# Altium PCB OCP-TimeCardMini-TI_V1.PcbDoc (part 8 of 11)
Units mil, origin at the board's own origin, x right, y up, seen from the top; angles counter-clockwise.
Board outline 5300.46 x 4396.02 mil, 10 copper layers (L01-TOP, L02-GND, L03-SIG, L04-GND, L05-PWR, L06-PWR, L07-GND, L08-SIG, L09-GND, L10-BOT), stack 77.164 mil thick; 832 components, 574 nets, 2904 pads, 1473 vias.
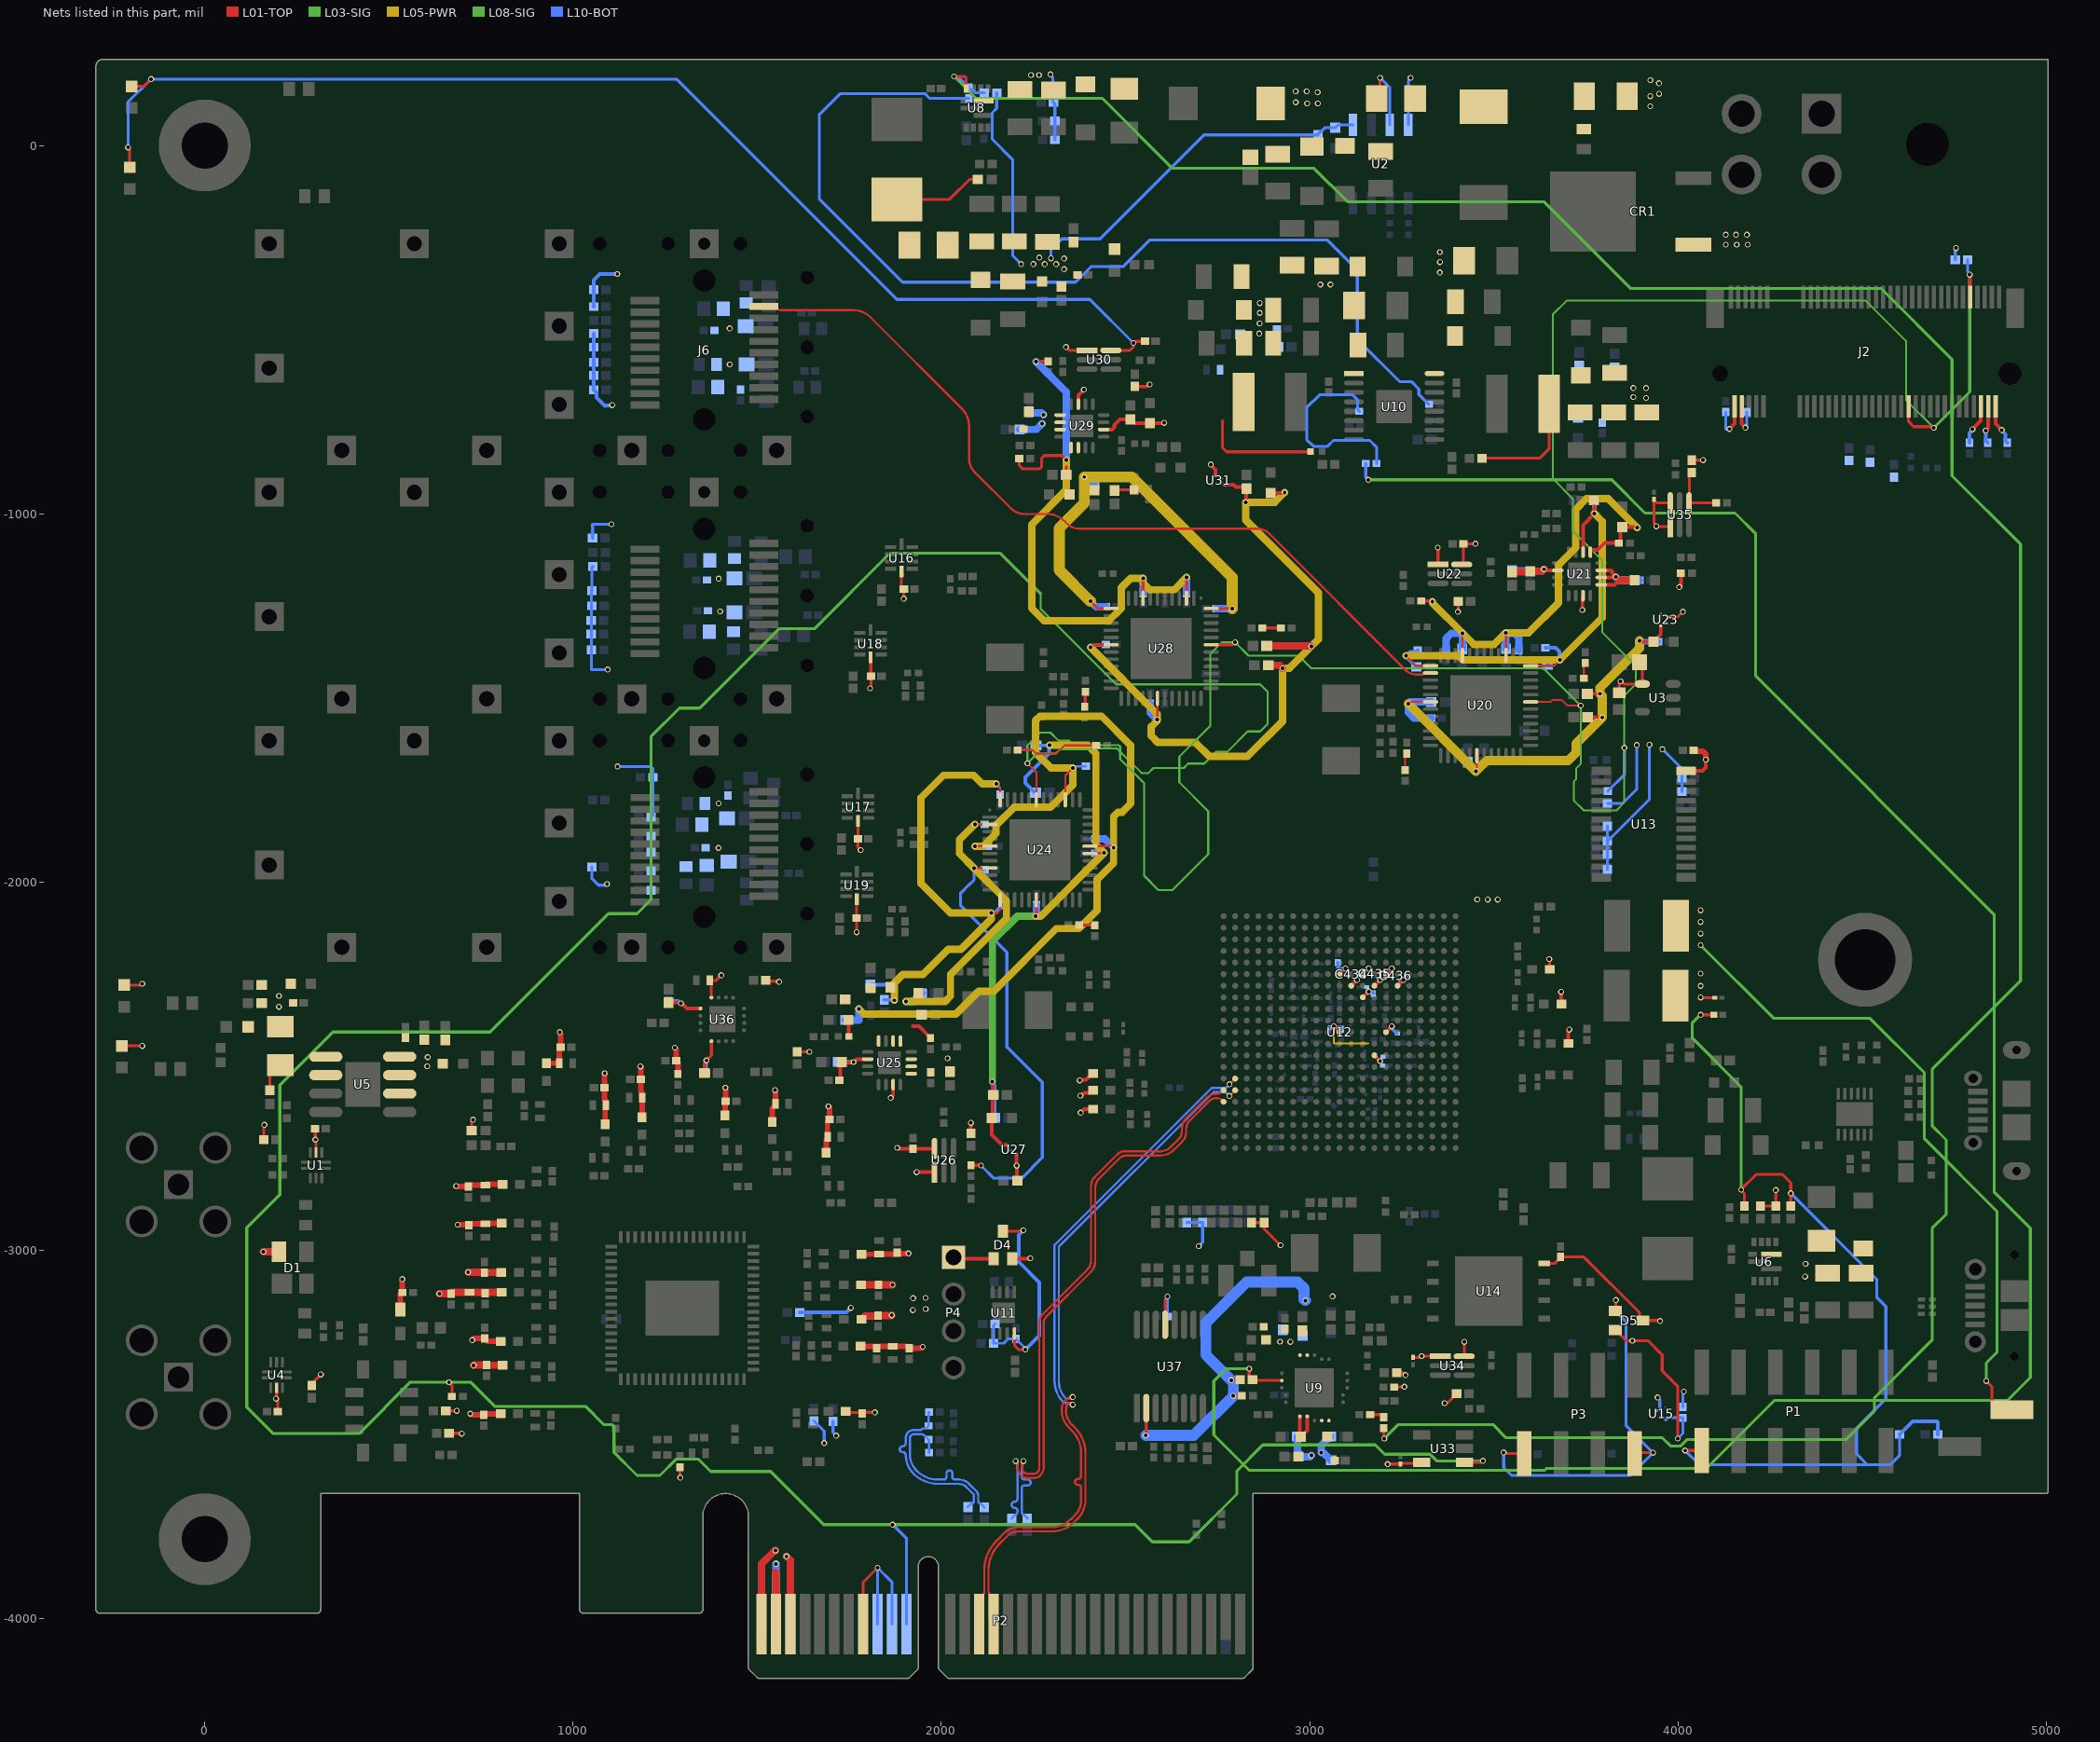
[diagram p16: the nets of this part, all layers, seen from the top]

## Via types
v1: diameter 16, hole 10, L01-TOP to L10-BOT, 1131 vias
v2: diameter 16, hole 10, L01-TOP to L10-BOT, tented both sides, 213 vias
v3: diameter 16, hole 10, L01-TOP to L10-BOT, tented top, 116 vias
v4: diameter 23.62, hole 11.81, L01-TOP to L10-BOT, 9 vias
v5: diameter 25.98, hole 12.99, L01-TOP to L10-BOT, tented top, 4 vias

## Nets (pads, with @x,y where several pads share a name; then routed paths per layer and width w, separated by ;. In a path a pad name is that pad's centre, name@x,y a point inside that pad or via, vN(x,y) a via of type N, cw(c..) or ccw(c..) an arc to the next point about the centre after c; other vN are vias at no path point) (continued)
P1V1_PHY2: C279.1 C280.1 C281.1 C282.1 C283.1 C284.1 R150.1 U24.6 U24.31 U24.39 U25.8 | length 2602.4
  L01-TOP w5.8: v1(2091.36,-1902.89) 2091.84,-1902.41 U24.6@2131.87,-1902.41 ; U24.39@2336.61,-1776.4 2336.61,-1710.22 v1(2357.05,-1689.78) ; U24.31@2403.56,-1902.41 2461.38,-1902.41 2464.93,-1905.96 v1(2467.69,-1905.96)
  L01-TOP w10: C279.1@1747.8,-2373.95 1748.49,-2374.64 1748.49,-2418.35 R150.1@1749.18,-2419.04
  L05-PWR w20: v1(1775.8,-2344.37) 1789.34,-2357.92 1844.9,-2357.92 1845.35,-2358.36 2039.34,-2358.36 2101.52,-2296.18 2142.18,-2296.18 2312.29,-2126.07 2373.44,-2126.07 2422.91,-2076.61 2422.91,-1993.04 2467.69,-1948.26 v1(2467.69,-1905.96) 2467.69,-1821.58 2479.4,-1809.86 2490.89,-1809.86 2513.98,-1786.78 2513.98,-1628.46 2434.78,-1549.26 2267.72,-1549.26 2256.01,-1560.97 2256.01,-1648.12 2297.67,-1689.78 v1(2357.05,-1689.78) 2357.05,-1736.28 2296.44,-1796.89 2197.26,-1796.89 2148.25,-1845.9 2148.25,-1867.74 2113.1,-1902.89 v1(2091.36,-1902.89)
  L10-BOT w5.8: v1(2091.36,-1902.89) C284.1@2126.46,-1902.89 ; v1(2357.05,-1689.78) 2359.81,-1689.78 2364.21,-1685.38 C282.1@2392.13,-1685.38
  L10-BOT w20: C281.1@1739.08,-2374.39 1775.8,-2374.39 v1(1775.8,-2344.37) ; C283.1@2417.96,-1882.72 2418.04,-1882.8 2444.53,-1882.8 v1(2467.69,-1905.96)
P1V2: C214.1 C216.1 C217.1 C218.1 C219.1 C220.1 C221.1 C222.1 C223.1 C413.1 C414.1 C415.1 C416.1 C417.1 C434.1 C434.3 C435.1 C435.3 C436.1 C436.3 L21.1 R57.1 R183.1 U12.F7 U12.G6 U12.H7 U12.J6 U12.J8 U12.K7 U12.L6 | length 586.5
  L01-TOP w8: 2763.68,-747.99 2763.03,-748.65 2763.03,-820.1 2774.47,-831.54 R57.1@3001.91,-831.54
  L01-TOP w10: U12.L6@3081.22,-2249.83 v2(3096.97,-2234.09) ; U12.K7@3112.71,-2281.33 v2(3128.46,-2265.58) ; U12.J8@3144.21,-2312.83 v2(3159.96,-2297.08) ; U12.J6@3144.21,-2249.83 v2(3159.96,-2234.09) ; U12.H7@3175.71,-2281.33 v2(3191.45,-2265.58) ; U12.G6@3207.2,-2249.83 v2(3222.95,-2234.09) ; U12.F7@3238.7,-2281.33 v2(3254.45,-2265.58) ; v1(4003.42,-1198.65) 4007.9,-1194.18 R183.1@4007.9,-1161.54
  L10-BOT w8: C414.1@3076.1,-2218.55 3076.1,-2234.09 v2(3096.97,-2234.09) ; v2(3159.96,-2297.08) 3161.49,-2298.61 3171.03,-2298.61 3174.17,-2301.75 C415.1@3174.17,-2302.73 ; v2(3222.95,-2234.09) 3222.95,-2235.24 C436.3@3223.43,-2235.72 ; C436.1@3255.45,-2267.74 3255.45,-2266.58 v2(3254.45,-2265.58) 3254.45,-2264.2 3264.73,-2253.92 C416.1@3266.53,-2253.92
  other v1: 2863.11,-510.26 2864.02,-482.9 2864.48,-454.45 2864.48,-427.71
  other v3: 3454.99,-2046.81 3483.63,-2047.31 3510.48,-2047.31
P1V2_EN: R55.1 R177.2 | length 533.4
  L10-BOT w8: R55.1@3134.92,-721.47 3130.23,-716.78 3130.23,-690.87 3116.36,-677 3026.6,-677 2991.88,-711.72 2991.88,-798.24 3010.5,-816.86 3048.08,-816.86 3064.26,-800.69 3162.95,-800.69 3181.65,-819.39 R177.2@3181.65,-863.34
P1V2_PG: R178.1 R182.2 U35.4 | length 159.2
  L01-TOP w8: R182.2@4037.46,-887.8 4031.36,-893.89 4031.36,-968.87 U35.4@4030.06,-970.17 R178.1@4103.87,-970.17
P1V8: C215.1 C224.1 C225.1 C226.1 C227.1 C228.1 C229.1 C230.1 C231.1 FB9.1 J11.2 L22.2 R56.2 | length 2123
  L01-TOP w8: R56.2@3467.58,-849.01 3623.97,-849.01 3650.3,-822.68 L22.2@3650.3,-701.25 ; v1(4837.13,-3354.45) 4852.23,-3369.55 4852.23,-3411.28 4873.23,-3432.28 J11.2@4906.5,-3432.28
  L08-SIG w8: v1(4061.16,-2171.09) 4259.31,-2369.25 4520.54,-2369.25 4668.95,-2517.66 4668.95,-2696.51 4866.14,-2893.7 4866.14,-3276.57 4837.13,-3305.59 v1(4837.13,-3354.45)
  other v1: 4061.16,-2139.6 4061.16,-2108.1 4061.16,-2076.61 3913.11,-685.24 3878.77,-682.85 3878.77,-658.42 3913.11,-658.42
P1V8_CPU_ANA: C174.1 C205.1 C206.1 C207.1 C208.1 C418.1 C419.1 C420.1 C421.1 C422.1 L23.1 L25.1 L27.1 L29.1 L30.1 L31.1 R46.1 U9.14 U9.15 U12.G11 U12.H13 U12.L11 | length 493.1
  L01-TOP w8: v1(3650.49,-2208.88) 3651.6,-2209.99 L30.1@3651.6,-2236.93 ; v1(3682.54,-2297.9) v1@3683.4,-2298.76
  L01-TOP w10: v1(2375.61,-2538.22) 2376.76,-2537.07 2392.53,-2537.07 2410.43,-2519.17 L29.1@2411.91,-2519.17 ; v1(2377.72,-2579.63) 2379.35,-2579.63 2386.88,-2572.1 2405.1,-2572.1 L23.1@2411.91,-2565.29 ; v1(2378.15,-2626.11) 2387.87,-2616.38 L25.1@2411.91,-2616.38 ; v2(3065.47,-2391.57) U12.L11@3081.22,-2407.31 ; U12.H13@3175.71,-2470.31 v2(3191.45,-2486.05) ; U12.G11@3207.2,-2407.31 v2(3222.95,-2391.57) ; L31.1@3683.4,-2330.84 v1@3683.4,-2298.76 ; L27.1@3702.17,-2437.76 3702.17,-2403.24 v1(3705.04,-2400.37)
  L05-PWR w5: v2(3065.47,-2391.57) 3065.47,-2437.91 3159.13,-2437.91
  L10-BOT w8: C421.1@3054.44,-2395.09 3054.44,-2394.27 3055.61,-2393.1 3063.94,-2393.1 v2(3065.47,-2391.57) 3067.63,-2391.57 3070.26,-2394.19 3081.31,-2394.19 3085.25,-2398.13 C418.1@3085.25,-2399.57 ; v2(3222.95,-2391.57) 3224.48,-2393.1 3224.48,-2399.58 3236.09,-2411.19 C420.1@3237.89,-2411.19
  other v1: 2919.41,-3247.88 2947.51,-3248.2
P1V8_CPU_ANA_EN: R53.2 R176.2 | length 39.9
  L01-TOP w8: R53.2@3164.17,-3445.79 3194.64,-3445.79 3200.59,-3451.73 R176.2@3200.59,-3452.72
P1V8_CPU_ANA_PG: R65.2 R177.1 U9.17 | length 6490.7
  L01-TOP w8: v1(2835.9,-3321.09) 2835.9,-3342.3 R65.2@2844.8,-3351.2 2846.54,-3352.94 2924,-3352.94 U9.17@2924.37,-3353.31
  L08-SIG w8: v1(2835.9,-3321.09) 2773.88,-3321.09 2739.9,-3355.08 2739.9,-3500.84 2836.07,-3597.01 3638.33,-3597.01 3643.25,-3592.08 4076.94,-3592.08 4261.74,-3407.28 4894.59,-3407.28 4956.69,-3345.18 4956.69,-2939.48 4858.27,-2841.06 4858.27,-2087.87 4211.04,-1440.64 4211.04,-1054.27 4154.88,-998.11 3910.59,-998.11 3820.12,-907.64 v1(3158.99,-907.64)
  L10-BOT w8: R177.1@3152.12,-863.34 3152.12,-900.78 v1(3158.99,-907.64)
P1V8_DPLL: C58.1 C59.1 C60.1 C61.1 C88.1 C89.1 C90.1 C94.1 C108.1 C115.1 C129.1 D2.2 L3.1 L4.1 L6.1 L9.1 L13.1 R30.2 R79.1 | length 546.7
  L01-TOP w8: R79.1@1290.23,-3588.34 1290.23,-3615.84 v1(1291.11,-3616.72)
  L01-TOP w20: v1(637.03,-3117.38) 637.32,-3117.67 C89.1@668.6,-3117.67 668.6,-3116.31 671.07,-3113.85 C88.1@719.26,-3113.85 758.57,-3113.85 759.93,-3115.21 761.28,-3115.21 C90.1@761.37,-3115.29 ; v1(715.16,-3059.12) 758.42,-3059.12 C108.1@759.4,-3060.1 C108.1@759.4,-3060.1 759.48,-3059.97 L6.1@805.36,-3059.97 ; v1(730.06,-3312.05) 730.77,-3311.34 C129.1@765.49,-3311.34 765.49,-3311.62 765.57,-3311.7 L13.1@808.42,-3311.7 ; C90.1@761.37,-3116.64 C90.1@761.37,-3115.29 ; L3.1@806.27,-3113.47 763.19,-3113.47 C90.1@761.37,-3115.29 ; L9.1@1781.66,-3093.18 C115.1@1828.73,-3093.19 1867.37,-3093.19 v1(1867.46,-3093.29) ; L4.1@1782.58,-3186.94 1784.05,-3186.94 1792.64,-3178.35 1828.21,-3178.35 1828.29,-3178.27 C94.1@1828.29,-3176.91 1864.57,-3176.91 v1(1865.35,-3176.13)
  other v1: 201.42,-2338.49 201.42,-2308.96
P1V8_EN: R54.1 R175.2 | length 2764
  L10-BOT w8: R175.2@2074.47,128.24 1968.27,128.24 1955.3,141.21 1726.31,141.21 1668.35,83.24 1668.35,-144.72 1894.79,-371.17 2363.99,-371.17 2406.19,-328.97 2492.9,-328.97 2565.21,-256.67 3048.35,-256.67 3129.39,-337.71 3129.39,-526.24 3243.91,-640.76 3275.74,-640.76 3296.42,-661.44 3296.42,-676.07 3322.94,-702.59 R54.1@3323.92,-702.59
P1V8_PHY0: C256.1 C257.1 C258.1 C259.1 C260.1 R135.1 U20.13 U20.48 U21.6 | length 1415.2
  L01-TOP w5.8: v1(3261.19,-1385.12) 3288.31,-1412.24 U20.13@3328.09,-1412.24 ; U20.48@3599.79,-1412.24 3663.71,-1412.24 v1(3678.87,-1397.08)
  L01-TOP w10: U21.6@3742.24,-1104.09 3742.24,-1030.44 v1(3773.23,-999.45) 3772.43,-998.64 3772.43,-963.7 R135.1@3771.62,-962.89
  L05-PWR w20: v1(3261.19,-1385.12) 3403.42,-1385.12 3415.32,-1397.02 3678.8,-1397.02 v1(3678.87,-1397.08) 3794,-1281.96 3794,-1020.21 v1(3773.23,-999.45)
  L10-BOT w10: v1(3261.19,-1385.12) 3262.34,-1386.27 3262.34,-1388.94 3288.97,-1415.57 C258.1@3289.82,-1415.57 ; v1@3262.82,-1385.12 3272.59,-1375.35 3287.81,-1375.35 C259.1@3292.89,-1370.27 ; C260.1@3640.27,-1363.85 3667.97,-1363.85 3678.2,-1374.08 3678.2,-1396.41 v1(3678.87,-1397.08) 3677.25,-1397.08 3673.06,-1401.27 3653.46,-1401.27 C257.1@3645.22,-1409.51 ; C256.1@3771.62,-962.89 3772.43,-963.7 3772.43,-998.64 v1(3773.23,-999.45)
P1V8_PHY1: C314.1 C315.1 C316.1 C317.1 C318.1 R161.1 U28.13 U28.48 U29.6 | length 1304.6
  L01-TOP w8: v1(2404.9,-1237.33) 2424.54,-1256.96 U28.13@2460.87,-1256.96 ; C315.1@2469.83,-936.75 2469.83,-934.99 R161.1@2523.07,-934.99 ; U28.48@2732.57,-1256.96 2788.36,-1256.96 v1(2789.33,-1257.93)
  L05-PWR w30: v1(2404.9,-1237.33) 2319.9,-1152.32 2319.9,-1039.31 2387.94,-971.27 v1(2387.94,-899.96) 2517.03,-899.96 2789.33,-1172.26 v1(2789.33,-1257.93)
  L10-BOT w20: v1(2387.94,-899.96) 2392.83,-899.96 C314.1@2415.67,-922.8 ; v1(2404.9,-1237.33) 2419.75,-1252.17 2446.4,-1252.17 C318.1@2446.48,-1252.25 ; C317.1@2746.96,-1256.96 2746.99,-1257 2788.4,-1257 v1(2789.33,-1257.93)
P1V8_PHY2: C285.1 C286.1 C287.1 C288.1 C289.1 R149.1 U24.13 U24.48 U25.6 | length 1403.2
  L01-TOP w5.8: v1(2135.41,-2083.91) 2151.15,-2083.91 2159.45,-2075.61 U24.13@2159.45,-2048.1 ; v1(2148.9,-1733.11) 2148.9,-1735.64 2159.45,-1746.19 U24.48@2159.45,-1776.4
  L05-PWR w20: v1(1872.49,-2320.85) 1872.49,-2273.43 1895.11,-2250.81 1950.19,-2250.81 2018.72,-2182.28 2053.08,-2182.28 2135.41,-2099.95 v1(2135.41,-2083.91) 2024.82,-2083.91 1944.78,-2003.87 1944.78,-1770.8 2005.73,-1709.84 2087.71,-1709.84 2110.99,-1733.11 v1(2148.9,-1733.11)
  L10-BOT w5.8: v1(2148.9,-1733.11) 2159.45,-1743.66 C289.1@2159.45,-1762.01
  L10-BOT w10: C286.1@1807.3,-2278.81 1872.49,-2278.81 v1@1872.49,-2319.62 ; R149.1@1845.01,-2319.62 v1@1872.49,-2319.62 ; v1(1872.49,-2320.85) v1@1872.49,-2319.62 ; v1(2135.41,-2083.91) 2136.56,-2082.76 2145.24,-2082.76 2164.16,-2063.84 C288.1@2164.16,-2062.49
P1V8_SENSE: R30.1 R32.2 U5.1 U5.2 | length 82.3
  L01-TOP w8: R32.2@176.62,-2565.01 176.62,-2522.13 202.15,-2496.6 R30.1@205.44,-2496.6
P2V5_PHY0: C261.1 C262.1 C263.1 C264.1 C265.1 R134.1 R143.1 U20.3 U20.9 U21.5 | length 1501.1
  L01-TOP w5.8: U20.9@3414.73,-1384.66 3415.02,-1384.36 3415.02,-1324.37 v1(3415.32,-1324.07) ; v1(3532.62,-1322.75) 3532.84,-1322.97 U20.3@3532.84,-1384.66
  L01-TOP w8: R143.1@3302.54,-1236.5 3331.75,-1236.5 v1(3333.19,-1237.95)
  L01-TOP w10: U21.5@3761.93,-1104.09 3761.93,-1097.87 3762.01,-1097.79 3782.01,-1097.79 3800.31,-1079.48 R134.1@3839.66,-1079.48 3843.98,-1075.16 3843.98,-1039.97 C261.1@3848.3,-1035.65 3887.39,-1035.65 v1(3889.3,-1037.56)
  L05-PWR w20: v1(3333.19,-1237.95) 3333.19,-1241.94 v1(3415.32,-1324.07) 3445.61,-1354.36 3501.01,-1354.36 v1(3532.62,-1322.75) 3594.36,-1322.75 3675.17,-1241.94 3675.17,-1139.15 3722.56,-1091.76 3722.56,-987.62 3750.95,-959.23 3810.96,-959.23 v1(3889.3,-1037.56)
  L10-BOT w20: C264.1@3370.64,-1370.27 3370.64,-1338.15 3384.73,-1324.07 v1(3415.32,-1324.07) 3414.73,-1324.66 C262.1@3414.73,-1366.29 ; v1(3532.62,-1322.75) v1@3532.84,-1322.97 ; C263.1@3532.84,-1365.82 v1@3532.84,-1322.97 ; C265.1@3567.97,-1369.77 3567.97,-1336.51 3556.25,-1324.79 3534.66,-1324.79 v1@3532.84,-1322.97
P2V5_PHY1: C319.1 C320.1 C321.1 C322.1 C323.1 R160.1 R170.1 U28.3 U28.9 U29.5 | length 1765.3
  L01-TOP w8: R160.1@2211.43,-850.03 2211.43,-868.17 2221.22,-877.95 2266.02,-877.95 2272.16,-871.82 2272.16,-849.01 2279.52,-841.65 2327.28,-841.65 v1(2339.37,-853.73) ; v1(2256.92,-586.98) 2258.07,-585.83 R170.1@2289.88,-585.83 ; C321.1@2339.1,-893.97 2339.1,-872.03 ; U28.9@2547.51,-1229.38 v1(2547.48,-1174.88) ; U28.3@2665.62,-1229.38 2665.62,-1172.97 v1(2665.79,-1172.79)
  L05-PWR w20: v1(2339.37,-853.73) 2339.37,-935 2245.36,-1029.01 2245.36,-1256.53 2278.79,-1289.95 2455.17,-1289.95 2488.45,-1256.67 2488.45,-1200.44 2514.01,-1174.88 v1(2547.48,-1174.88) 2547.48,-1187.94 2565.61,-1206.07 2632.52,-1206.07 v1(2665.79,-1172.79)
  L10-BOT w20: v1(2256.92,-586.98) 2339.37,-669.43 v1(2339.37,-853.73) 2339.37,-893.67 C320.1@2338.63,-894.41 ; C322.1@2547.51,-1214.99 v1(2547.48,-1174.88) ; C323.1@2665.62,-1214.99 2665.62,-1172.97 v1(2665.79,-1172.79)
P2V5_PHY2: C290.1 C291.1 C292.1 C293.1 C294.1 R148.1 R155.1 U24.3 U24.9 U25.5 | length 2107.6
  L01-TOP w5.8: v1(2088.61,-1961.99) 2089.13,-1961.46 U24.9@2131.87,-1961.46 ; v1(2090.73,-1843.35) U24.3@2131.87,-1843.35
  L01-TOP w8: R155.1@2080.31,-2768.94 2107.15,-2768.94 v1(2107.67,-2769.45)
  L01-TOP w10: 1922.53,-2391.57 1939.42,-2391.57 1970.44,-2422.59 R148.1@1970.44,-2423.58
  L05-PWR w20: v1(1903.46,-2324.1) 2010.18,-2324.1 2024.82,-2309.45 2024.82,-2250.67 2176.71,-2098.78 2176.71,-2050.09 v1(2088.61,-1961.99) 2048.81,-1922.19 2048.81,-1885.27 v1(2090.73,-1843.35)
  L10-BOT w5.8: v1(2090.73,-1843.35) C293.1@2117.48,-1843.35
  L10-BOT w8: v1(2107.67,-2769.45) 2142,-2803.79 2218.01,-2803.79 2274.23,-2747.57 2274.23,-2543.67 2178.09,-2447.53 2178.09,-2190.16 2052.32,-2064.39 2052.32,-2029.86 2073.52,-2008.66 2074.14,-2008.66 2088.61,-1994.19 v1(2088.61,-1961.99) 2090.77,-1961.99 2094.96,-1966.17 C294.1@2117.48,-1966.17
  L10-BOT w20: v1(1903.46,-2324.1) 1922.91,-2324.1 1945.38,-2301.62 C291.1@1946.7,-2301.62
P3V3: C4.1 C5.1 C6.2 C7.1 C14.1 C15.2 C16.1 C19.2 C20.1 C22.1 C23.2 C24.1 C26.1 C29.1 C30.1 C31.2 C32.1 C36.2 C38.2 C39.1 C43.1 C48.2 C49.1 C53.1 C54.1 C55.1 C56.1 C70.1 C86.1 C87.1 C91.1 C101.1 C104.1 C105.1 C109.1 C110.1 C116.1 C117.1 C122.1 C123.1 C124.1 C130.1 C131.1 C136.1 C137.1 C138.1 C141.1 C142.1 C145.2 C146.1 C147.1 C153.1 C154.1 C157.1 C158.1 C159.1 C160.1 C164.1 C165.1 C166.1 C167.1 C168.1 C177.1 C180.1 C181.1 C182.1 C183.1 C197.1 C198.1 C199.1 C200.1 C201.1 C202.1 C203.1 C204.1 C233.1 C236.1 C239.1 C242.1 C266.1 C267.1 C268.1 C269.1 C270.1 C271.1 C272.1 C295.1 C296.1 C297.1 C298.1 C299.1 C300.1 C301.1 C324.1 C325.1 C326.1 C327.1 C328.1 C329.1 C330.1 C411.1 C412.1 C429.1 C430.1 C431.1 C445.1 C446.1 C447.1 C448.1 C451.1 D1.4 D3.2 D4.2 D9.2 D10.2 D11.2 D12.2 FB1.1 FB2.1 FB3.1 FB4.1 FB5.2 FB6.1 FB7.1 FB8.1 J2.2 J2.4 J2.70 J2.72 J2.74 L2.1 L5.1 L7.1 L8.1 L10.1 L11.1 L12.1 L14.1 L15.1 L16.1 L17.1 L18.1 L19.1 P1.1 R1.1 R2.1 R3.1 R4.1 R5.1 R6.1 R8.1 R10.1 R11.1 R12.1 R13.1 R14.1 R15.1 R16.1 R17.1 R19.1 R20.2 R21.1 R22.2 R25.1 R26.1 R27.1 R29.1 R37.1 R45.1 R47.2 R51.2 R58.2 R63.1 R65.1 R67.1 R68.1 R71.1 R80.1 R83.2 R84.2 R87.2 R94.1 R99.2 R100.2 R101.2 R105.1 R106.1 R107.1 R117.2 R118.2 R119.2 R120.2 R123.2 R124.2 R139.2 R141.1 R154.1 R165.1 R166.1 R167.2 R169.1 R181.1 R182.1 R188.1 R189.1 R192.1 R196.1 R216.2 U1.9 U2.5 U3.4 U4.9 U5.6 U5.7 U5.8 U9.1 U9.2 U9.4 U9.5 U13.24 U15.3 U16.5 U17.5 U18.5 U19.5 U21.1 U21.2 U21.3 U21.10 U21.15 U22.1 U22.6 U23.3 U25.1 U25.2 U25.3 U25.10 U25.15 U26.1 U26.6 U27.3 U29.1 U29.2 U29.3 U29.10 U29.15 U30.1 U30.6 U31.3 U33.5 U34.1 U34.6 U35.1 U35.6 U36.1 U36.5 U36.16 U37.2 U37.13 | length 17574.4
  L01-TOP w8: D11.2@-224.71,-2444.43 -169.95,-2444.43 v1(-169.65,-2444.73) ; D10.2@-218.85,-2279.43 -173.23,-2279.43 v3(-169.65,-2275.85) ; v3(-208.2,-5.02) -203.78,-9.44 D9.2@-203.78,-59.06 ; D3.2@-198.79,160.78 -165.36,160.78 v3(-145.67,180.46) ; R14.1@159.89,-2699.18 159.89,-2661.09 v1(161.95,-2659.03) ; U4.9@195.29,-3372.65 195.29,-3400.95 v1(193.6,-3402.64) 193.6,-3404.81 198.17,-3409.38 C29.1@198.17,-3437.26 ; R29.1@290.54,-3366.92 290.54,-3361.3 v1(315.14,-3336.71) ; C26.1@299.65,-2669.33 300.08,-2669.77 300.08,-2698.74 v1(300.52,-2699.18) 300.52,-2701.34 302.29,-2703.11 U1.9@302.29,-2734.4 ; R84.2@654.35,-3435.78 683.59,-3435.78 v1(684.09,-3435.28) ; R83.2@663.22,-3496.6 696.85,-3496.6 v1(697.54,-3497.29) ; R87.2@724.89,-2675.01 724.89,-2648.68 v1(728.5,-2645.07) ; C446.1@1356.7,-2518.84 1356.7,-2491.72 1362.12,-2486.29 v1(1362.12,-2484.13) 1375.66,-2470.59 U36.5@1375.66,-2431.78 ; U36.16@1375.66,-2313.67 1375.16,-2313.17 1375.16,-2270.58 C104.1@1371.31,-2266.73 1388.65,-2266.73 v3(1402.62,-2252.76) ; R216.2@1523.34,-2266.73 1525.66,-2269.05 1557.79,-2269.05 v3(1559.32,-2270.58) ; R71.1@1608.61,-2460.5 1641.39,-2460.5 v1(1641.66,-2460.78) ; L11.1@1739.95,-3437.16 1742.75,-3439.97 1781.88,-3439.97 C122.1@1784.68,-3442.77 1787.87,-3439.59 v1(1819.48,-3439.59) ; v1(1770.02,-2135.79) 1769.48,-2135.25 C242.1@1769.48,-2098.01 1769.88,-2097.61 1769.88,-2046.35 U19.5@1770.28,-2045.95 ; U17.5@1773.73,-1833.51 1773.4,-1833.84 1773.4,-1882.39 C236.1@1773.07,-1882.72 1773.07,-1904.59 1780.91,-1912.43 v1(1780.91,-1912.97) ; v1(1806.67,-1473.66) 1808.73,-1471.6 C239.1@1808.73,-1440.55 1808.23,-1440.05 1808.23,-1390.61 U18.5@1807.74,-1390.11 ; v1(1862.74,-2585.73) 1869.01,-2579.46 U25.15@1869.01,-2549.61 ; U16.5@1891.49,-1157.11 1891.49,-1198.27 1897.57,-1204.35 C233.1@1898.21,-1204.35 1897.99,-1204.58 v1(1897.99,-1230.54) ; v1(2338.27,-547.08) 2347.2,-556 U30.1@2395.64,-556 ; U30.6@2460.21,-556 2512.63,-556 2521.56,-547.08 v1(2521.56,-536.26) 2523.73,-536.26 2528.49,-531.5 C330.1@2552.8,-531.5 ; R169.1@2525.36,-654.25 2559.7,-654.25 v1(2565.21,-648.74) ; v1(2555,-3502.05) 2556.43,-3500.62 U37.2@2556.43,-3428.12 ; U37.13@2607.61,-3201.71 2607.61,-3133.33 2613.91,-3127.04 v1(2613.91,-3124.87) ; v1(2786.97,-3352.32) 2788.08,-3351.2 R65.1@2811.33,-3351.2 ; v1(2792.72,-3394.79) 2792.87,-3394.64 2815.88,-3394.64 R47.2@2816.03,-3394.49 ; R189.1@2842.03,-2924.33 R188.1@2876.49,-2924.33 2876.49,-2941.41 v1(2920.78,-2985.7) ; v1(3211.69,-3580.01) 3211.78,-3580.09 C429.1@3246.68,-3580.09 3246.68,-3578.84 3247.85,-3577.67 3301.75,-3577.67 U33.5@3304.17,-3575.24 ; R51.2@3229.37,-3370.88 3256.33,-3370.88 v1(3257.26,-3369.96) ; R63.1@3235.89,-3331.51 3253.1,-3331.51 v1(3260.09,-3338.51) ; C430.1@3280.18,-3290.4 3298.66,-3290.4 3301.93,-3287.13 v1(3304.09,-3287.13) 3304.28,-3287.32 U34.1@3354.86,-3287.32 ; v1(3347.54,-1091.76) 3348.14,-1092.37 U22.1@3348.14,-1137.48 ; v1(3366.18,-3414.83) 3373.3,-3414.83 R181.1@3398.96,-3389.17 ; v1(3402.4,-1265.96) 3403.52,-1264.84 R141.1@3403.52,-1237.95 ; U22.6@3412.72,-1137.48 3413.93,-1137.48 3417.07,-1134.34 C272.1@3417.07,-1081.83 3449.37,-1081.83 v1(3450.13,-1081.06) ; U34.6@3419.43,-3287.32 3419.43,-3248.4 v1(3419.63,-3248.2) ; v1(3740.46,-1261.25) 3740.46,-1223.98 U21.15@3742.24,-1222.2 ; R20.2@3840.45,-1485.8 3840.45,-1460.63 3843.98,-1457.1 v1(3843.98,-1454.94) 3846.15,-1454.94 3853.26,-1462.06 U3.4@3903.14,-1462.06 3903.14,-1410.74 C36.2@3895.57,-1403.17 ; C431.1@3935.25,-961.1 C431.1@3935.25,-962.89 ; U23.3@3977.62,-1279.82 3999.47,-1279.82 v1(4013.33,-1265.96) ; U35.1@3978.88,-1034.75 3942.17,-1034.75 v1(3941.26,-1033.84) 3941.26,-1031.67 3935.25,-1025.67 C431.1@3935.25,-962.89 ; U35.6@3978.88,-970.17 3942.53,-970.17 C431.1@3935.25,-962.89 ; v1(4019.36,-3543.24) 4019.43,-3543.31 P1.1@4064.96,-3543.31 ; R182.1@4037.46,-854.33 4067.84,-854.33 v1(4068.14,-854.03) ; v1(4061.16,-2360.34) 4061.29,-2360.21 4096.96,-2360.21 C411.1@4097.09,-2360.07 ; v1(4061.16,-2312.96) 4061.8,-2313.6 4098.77,-2313.6 C412.1@4099.42,-2314.25 ; R45.1@4180.24,-2879.97 4180.24,-2846.22 4171.28,-2837.26 v1(4171.28,-2835.1) 4212.96,-2793.42 4283.35,-2793.42 4306.16,-2816.23 v1(4306.16,-2844.92) 4306.39,-2845.15 R37.1@4306.39,-2879.97
  L01-TOP w10: C445.1@1258.59,-2327.38 C445.1@1258.82,-2327.14 1289.59,-2327.14 1291.73,-2329.29 v1(1293.35,-2329.29) 1294.98,-2329.29 1308.89,-2343.2 U36.1@1346.13,-2343.2 ; C298.1@1722.64,-2538.19 1725.8,-2535.03 1725.8,-2491.6 C295.1@1728.96,-2488.44 C295.1@1728.96,-2488.44 v1(1761.63,-2488.36) v1(1761.63,-2488.36) 1762.62,-2488.36 1770.26,-2480.71 U25.10@1800.11,-2480.71 ; v1(1880.24,-2721.2) 1882.99,-2723.96 C301.1@1923.24,-2723.96 1980.71,-2723.96 U26.6@1981.47,-2723.2 ; v1(1932.52,-2787.68) 1981.37,-2787.68 U26.1@1981.47,-2787.77 ; R154.1@2080.31,-2682.19 2080.31,-2653.66 v1(2080.4,-2653.57) ; D4.2@2192.69,-3022.65 2239.71,-3022.65 v1(2241.26,-3021.09) ; U27.3@2204.32,-2737.9 2204.32,-2769.85 v1(2204.44,-2769.97) 2205.21,-2770.74 2205.21,-2810.38 C297.1@2205.98,-2811.15 ; U29.15@2371.74,-702.26 2371.74,-677.95 v1(2387.08,-662.61) ; U29.10@2440.63,-771.16 2463.76,-771.16 2469.62,-765.3 2469.62,-759.07 2485.24,-743.45 C329.1@2513.61,-743.45 2513.61,-744.3 2521.85,-752.53 2522.69,-752.53 2524.31,-754.15 C324.1@2566.4,-754.15 2603.53,-754.15 v1(2604.81,-752.86) ; v1(2731.34,-866.14) 2731.34,-867.77 2744.34,-880.76 U31.3@2744.34,-896.03 ; U9.1@2973.58,-3450.75 2973.58,-3505.43 C197.1@2975.78,-3505.43 2993.26,-3487.95 U9.2@2993.26,-3450.75 ; v1(3635.71,-1150.5) 3637.34,-1150.5 3640.14,-1153.3 U21.10@3673.34,-1153.3 ; U21.1@3791.45,-1192.67 3827.29,-1192.67 3839.62,-1180.34 3839.62,-1179.72 ; U21.2@3791.45,-1172.99 3827.11,-1172.99 3829.18,-1170.91 v1(3830.81,-1170.91) 3830.81,-1169.28 3821.43,-1159.9 3821.43,-1155.81 3818.92,-1153.3 U21.3@3791.45,-1153.3 ; U13.24@4022.21,-1697.83 4066.57,-1697.83 4075.84,-1688.56 v1(4075.84,-1667.51) ; v1(4139.57,-769.52) 4153.54,-755.54 J2.2@4153.54,-708.68 ; J2.4@4173.23,-708.68 4173.23,-754.48 4183.07,-764.32 v1(4183.07,-765.94) ; v1(4799.45,-770.45) 4821.93,-747.98 4821.93,-709.58 J2.70@4822.84,-708.68 ; v1(4835.35,-773.83) 4842.52,-766.67 J2.72@4842.52,-708.68 ; J2.74@4862.21,-708.68 4862.21,-755.44 v1(4879.24,-772.48)